# Altium PCB roach2.PcbDoc (part 34 of 39) (continued)
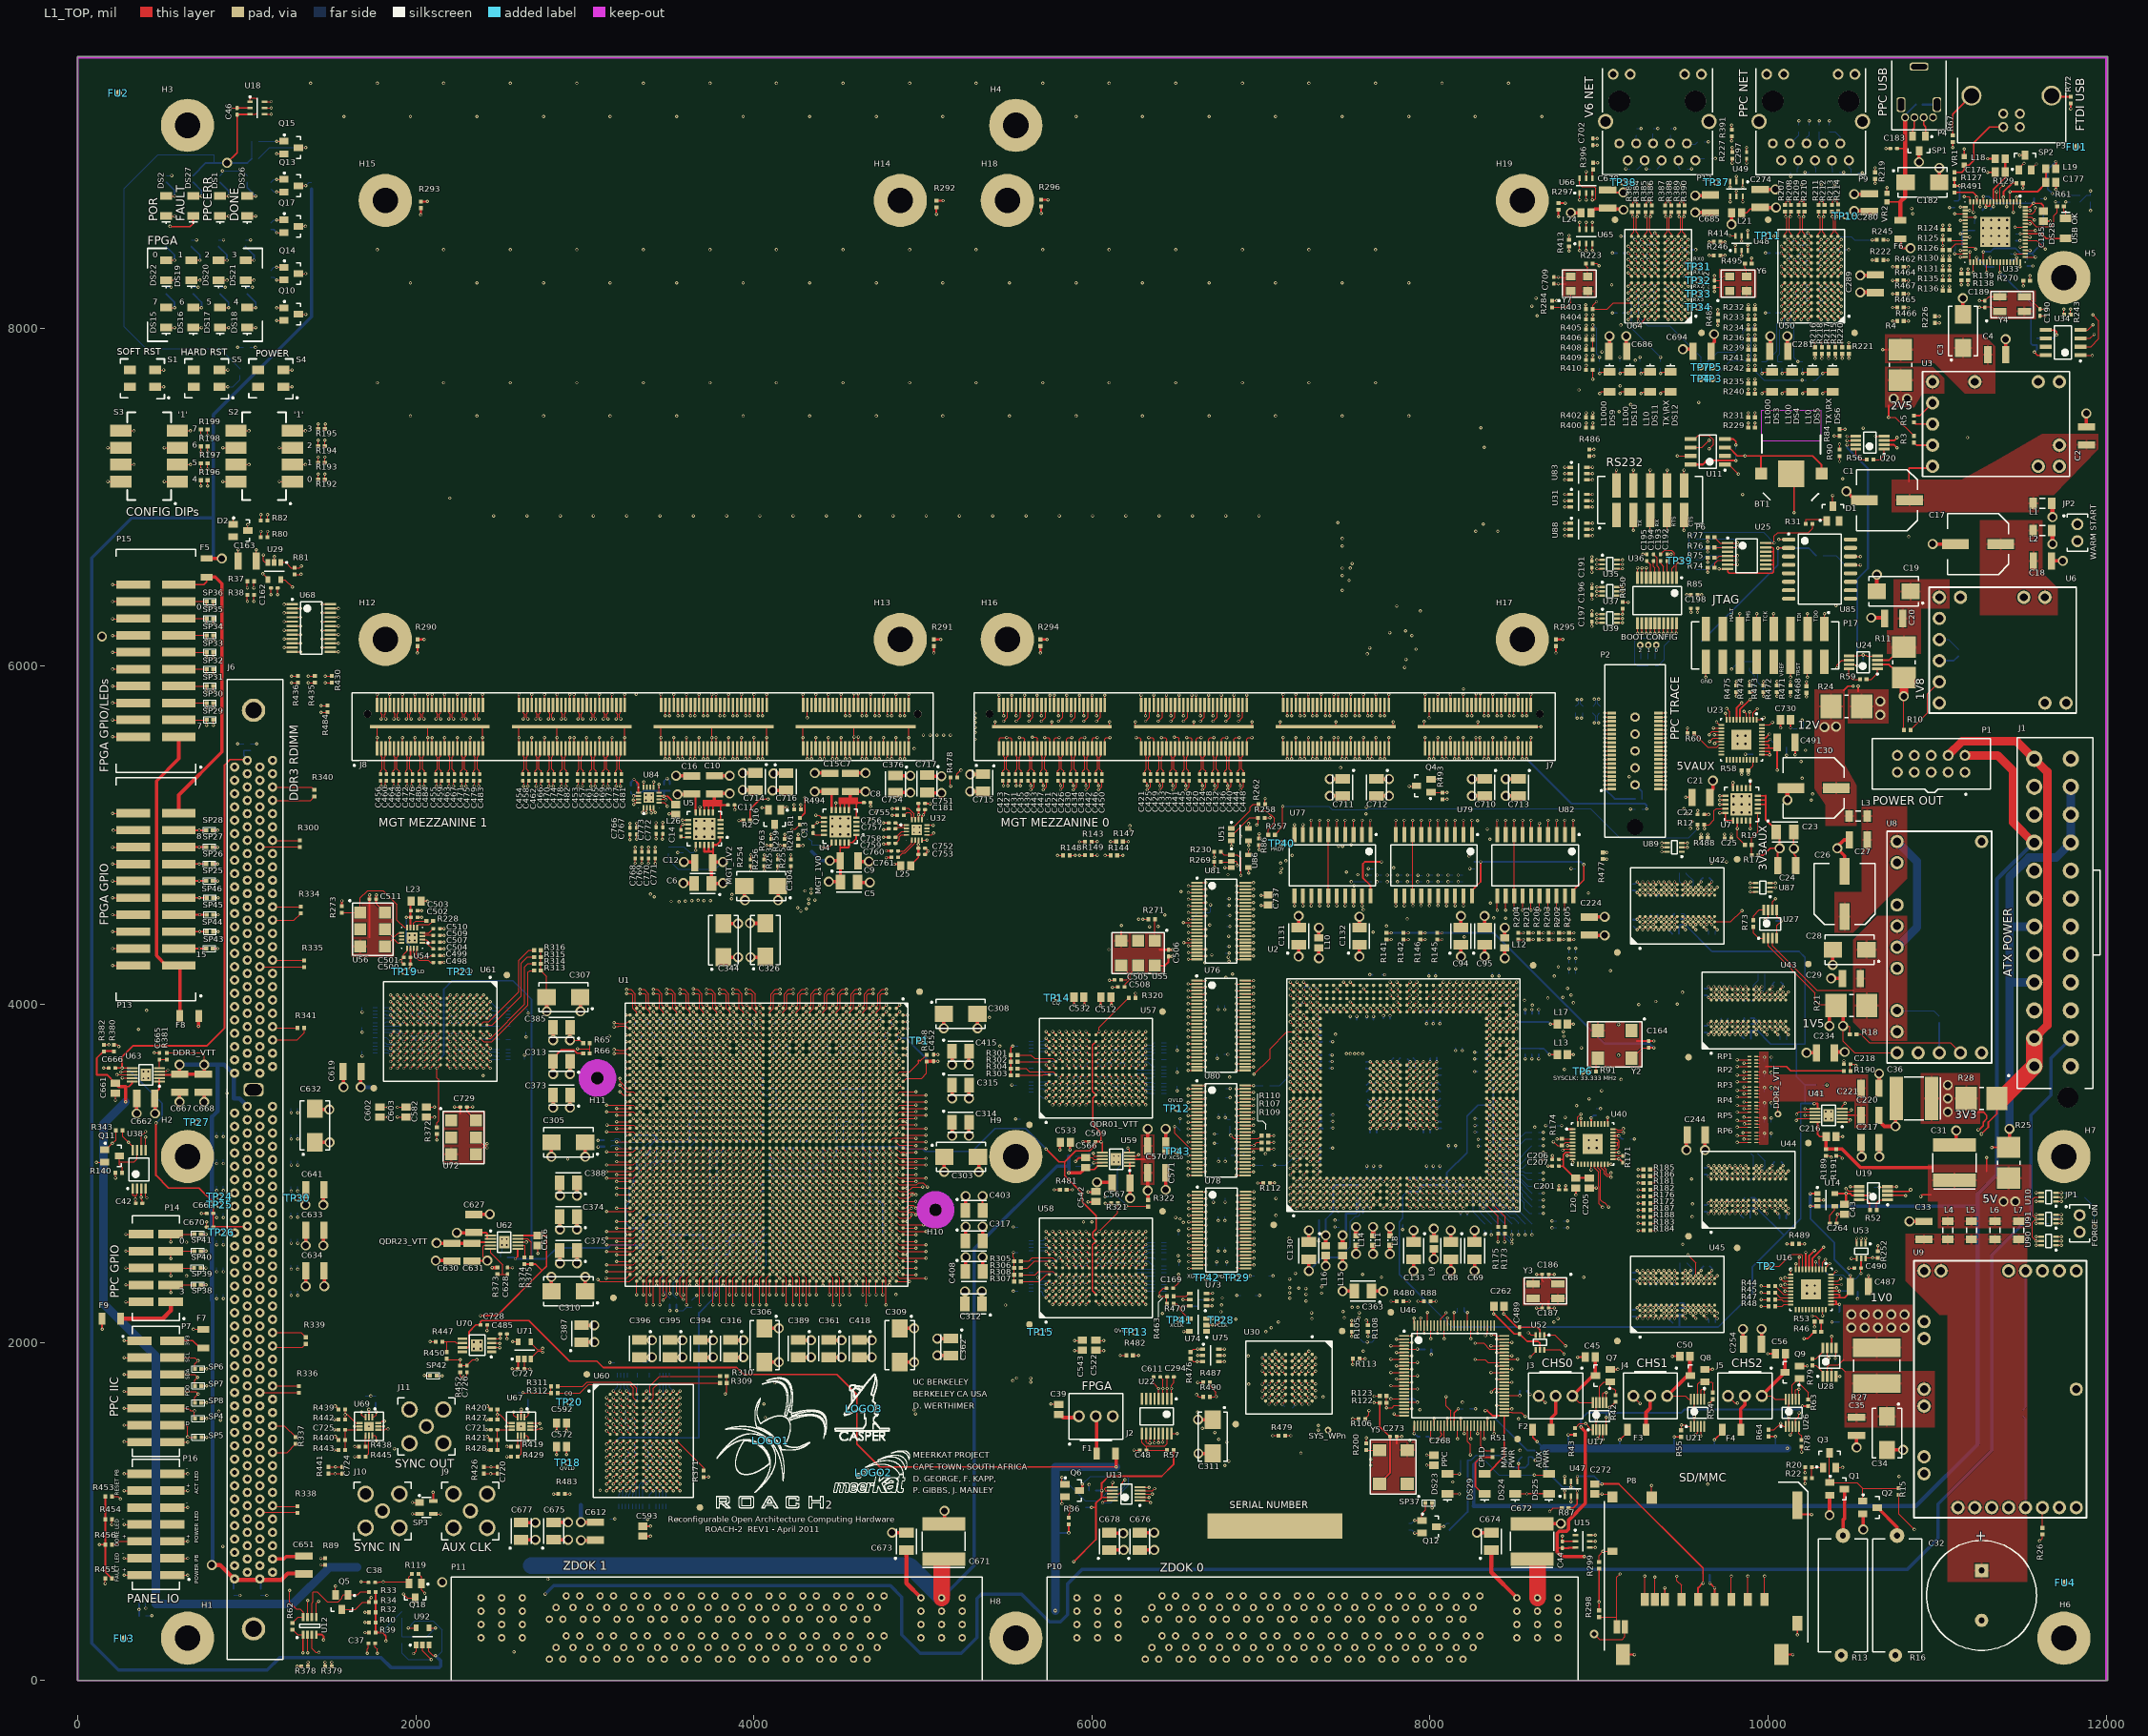
[diagram p0: L1_TOP view]
## Nets (pads, with @x,y where several pads share a name; then routed paths per layer and width w, separated by ;. In a path a pad name is that pad's centre, name@x,y a point inside that pad or via, vN(x,y) a via of type N, cw(c..) or ccw(c..) an arc to the next point about the centre after c; other vN are vias at no path point) (continued)
XL.PDATA4: U1.AT12 U81.8 | length 4081.7
  L1_TOP w5: v1(3483.35,3561.46) 3502.72,3542.09 U1.AT12@3503.04,3541.77 ; v1(6570.73,4581.5) U81.8@6621.73,4581.5 U81.8@6638.67,4581.5
  L8_R w3.8: v2(6390.99,4460.99) 6511.5,4581.5 v1(6570.73,4581.5)
  L14_S w3.8: v1@3484.25,3562.99 3484.25,3580.3 3479.32,3585.23 3476.89,3585.23 3467.75,3594.37 3467.75,3786.94 3468.65,3787.83 3468.65,4031.33 3462.99,4036.99 3462.99,4156.99 3526.99,4220.99 4521.41,4220.99 4879.01,4578.59 6255.4,4578.59 6372.99,4460.99 v2(6390.99,4460.99)
XL.PDATA5: U1.AR12 U81.9 | length 4141.4
  L1_TOP w5: v1(3522.72,3561.46) 3542.09,3542.09 U1.AR12@3542.41,3541.77 ; U81.9@6604.79,4561.82 U81.9@6621.73,4561.82 v1(6672.73,4561.82)
  L8_R w3.8: v2(6340.99,4458.99) 6360.99,4458.99 6374.99,4444.99 6410.99,4444.99 6527.82,4561.82 v1(6672.73,4561.82)
  L14_S w3.8: 3508,3918.01 3508,4115.44 3514.99,4122.43 3514.99,4156.99 3554.99,4196.99 4536.44,4196.99 4890.44,4550.99 6243,4550.99 6261.39,4532.59 6261.39,4496.53 6298.93,4458.99 v2(6340.99,4458.99) ; 3508.02,3917.99 3508.02,3765.67 3507.12,3764.77 3507.12,3567.31 3508,3566.43 3511.44,3562.99 3522.72,3562.99 v1@3523.62,3562.99
XL.PDATA6: U1.BA14 U81.11 | length 4972
  L1_TOP w5: v1(3207.76,3522.09) 3247.39,3482.46 3286.76,3482.46 ; U1.BA14@3306.19,3463.03 U1.BA14@3305.87,3463.35 ; U81.11@6604.79,4522.45 U81.11@6621.73,4522.45 v1(6672.73,4522.45) ; 3286.76,3482.46 U1.BA14@3305.87,3463.35 ; 3286.76,3482.46 U1.BA14@3305.87,3463.35
  L14_S w3.8: v1@3208.66,3523.62 3226.99,3541.95 3226.99,4113.64 3236.99,4123.64 3236.99,4156.99 3444.99,4364.99 3478.99,4364.99 3640.99,4526.99 4200.99,4526.99 4362.99,4364.99 4431.22,4364.99 4810.41,4744.19 6719.8,4744.19 6728.99,4734.99 6728.99,4578.71 v1(6672.73,4522.45)
XL.PDATA7: U1.BA15 U81.12 | length 4814.7
  L1_TOP w5: v1@3286.87,3441.98 3305.37,3423.48 U1.BA15@3306.56,3422.29 ; v1(6570.73,4502.76) U81.12@6621.73,4502.76 U81.12@6638.67,4502.76
  L14_S w3.8: v1@3287.77,3443.51 3287.77,3494.21 3269.99,3511.99 3269.99,4051.99 3276.99,4058.99 3276.99,4156.99 3460.99,4340.99 3502.99,4340.99 3602.99,4440.99 4240.99,4440.99 4340.99,4340.99 4446.25,4340.99 4821.85,4716.59 6592.99,4716.59 6657.13,4652.45 6657.13,4634.09 6666.27,4624.96 6671.02,4624.96 6700.99,4594.99 v2(6700.99,4588.99)
  L16_BOT w5: v1(6570.73,4502.76) 6588.76,4502.76 6628.99,4542.99 6694.99,4542.99 6700.99,4548.99 v2(6700.99,4588.99)
  other v1: 3286.87,3443.35
XL.PDATA8: U1.AW13 U81.13 | length 4289.8
  L1_TOP w5: v1(3365.24,3522.09) 3384.61,3502.72 U1.AW13@3384.93,3502.4 ; v1@6541.25,4482.91 U81.13@6609.19,4482.91
  L14_S w3.8: v1(3365.24,3522.09) 3349.64,3537.69 3349.64,3764.77 3350.54,3765.67 3350.54,3923.79 3354.49,3927.74 3354.49,4127.49 3349.99,4131.99 3349.99,4156.44 3486.54,4292.99 3556.99,4292.99 3644.99,4380.99 4192.99,4380.99 4280.99,4292.99 4476.31,4292.99 4844.71,4661.39 6366.6,4661.39 6540.99,4486.99 v1(6540.99,4482.99)
XL.PDATA9: U1.AW12 U81.14 | length 5366.2
  L1_TOP w5: v1(3365.24,3561.46) 3384.61,3542.09 U1.AW12@3384.93,3541.77 ; v1(6570.73,4463.39) U81.14@6621.73,4463.39 U81.14@6638.67,4463.39
  L8_R w3.8: v2(3144.99,3810.99) 3144.99,3796.99 3280.99,3660.99 3338.99,3660.99 3344.99,3654.99 3344.99,3584.14 v1@3366.14,3562.99 ; v1(6570.73,4463.39) 6570.73,4478.73 6634.99,4542.99 6694.99,4542.99 6804.99,4652.99 v2(6804.99,4766.99)
  L12_S w3.8: v1@3366.14,3562.99 v1@3368.11,3562.99
  L14_S w3.8: v2(3144.99,3810.99) 3144.99,3822.99 3154.99,3832.99 3176.99,3832.99 3190.99,3846.99 3190.99,4168.99 3424.99,4402.99 3448.99,4402.99 3614.99,4568.99 4216.99,4568.99 4384.99,4400.99 4406.99,4400.99 4644.99,4638.99 4644.99,4730.16 4699.83,4784.99 6786.99,4784.99 v2(6804.99,4766.99)
XL.PDATA10: U1.BB14 U81.16 | length 5337.3
  L1_TOP w5: v1(3207.76,3482.72) 3227.45,3463.03 U1.BB14@3266.82,3463.03 ; v1(6570.73,4424.02) U81.16@6621.73,4424.02 U81.16@6638.67,4424.02
  L14_S w3.8: v1@3208.66,3484.25 3208.66,3497.82 3191.99,3514.49 3191.99,3569.94 3210.63,3588.58 3210.63,4116.99 3204.99,4122.63 3204.99,4156.99 3438.99,4390.99 3458.99,4390.99 3622.99,4554.99 4212.99,4554.99 4376.99,4390.99 4418.19,4390.99 4798.98,4771.79 6762.2,4771.79 6780.99,4752.99 6780.99,4480.99 6684.99,4384.99 6642.99,4384.99 6603.96,4424.02 v1(6570.73,4424.02)
XL.PDATA11: U1.BB13 U81.17 | length 5066.7
  L1_TOP w5: v1(3207.76,3561.46) 3207.76,3545 3250.36,3502.4 U1.BB13@3266.82,3502.4 ; U81.17@6604.79,4404.34 U81.17@6621.73,4404.34 v1(6672.73,4404.34)
  L14_S w3.8: v1@3208.66,3562.99 3218.99,3573.32 3218.99,4155.44 3440.55,4376.99 3468.99,4376.99 3632.99,4540.99 4206.99,4540.99 4370.99,4376.99 4423.7,4376.99 4804.7,4757.99 6746,4757.99 6760.99,4742.99 6760.99,4492.6 v1(6672.73,4404.34)
XL.PDATA12: U1.AU13 U81.19 | length 4244.4
  L1_TOP w5: v1(3443.59,3522.21) 3443.86,3522.21 3463.35,3502.72 U1.AU13@3463.67,3502.4 ; v1(6543.25,4365.02) U81.19@6611.19,4365.02
  L14_S w3.8: v1@3444.49,3523.74 3444.49,3538.49 3420.21,3562.77 3420.21,3791.85 3421.11,3792.75 3421.11,4156.62 3521.48,4256.99 3596.99,4256.99 3674.99,4334.99 4170.99,4334.99 4248.99,4256.99 4498.86,4256.99 4861.86,4619.99 6192.99,4619.99 ; 6197.32,4619.99 6192.99,4619.99 ; v1(6543.25,4365.02) 6543.25,4392.73 6316,4619.99 6192.99,4619.99
XL.PDATA13: U1.AU12 U81.20 | length 4212.2
  L1_TOP w5: v1(3443.98,3561.46) 3463.35,3542.09 U1.AU12@3463.67,3541.77 ; v1(6570.73,4345.28) U81.20@6621.73,4345.28 U81.20@6638.67,4345.28
  L14_S w3.8: 3438.99,4016.99 3438.99,4020.99 ; v1@3444.88,3562.99 3444.88,3574.1 3428.38,3590.6 3428.38,3764.77 3429.28,3765.67 3429.28,3923.79 3438.99,3933.5 3438.99,4020.99 ; 6191.6,4606.19 6188.99,4606.19 ; v1(6570.73,4345.28) 6532.7,4345.28 6506.99,4370.99 6506.99,4394.99 6295.8,4606.19 6188.99,4606.19 ; 3438.99,4020.99 3438.99,4156.99 3526.99,4244.99 3612.99,4244.99 3690.99,4322.99 4158.99,4322.99 4236.99,4244.99 4506.38,4244.99 4867.58,4606.19 6188.99,4606.19
XL.PDATA14: U1.AW15 U81.22 | length 4608.9
  L1_TOP w5: v1(3365.24,3443.35) 3384.61,3423.98 U1.AW15@3384.93,3423.66 ; v1(6570.73,4305.91) U81.22@6621.73,4305.91 U81.22@6638.67,4305.91
  L14_S w3.8: v1@3366.14,3444.88 3366.14,3461.55 3380.84,3476.25 3380.84,3791.85 3381.74,3792.75 3381.74,4027.24 3366.99,4041.99 3366.99,4156.99 3490.99,4280.99 3566.99,4280.99 3652.99,4366.99 4182.99,4366.99 4268.99,4280.99 4483.83,4280.99 4850.43,4647.59 6340.4,4647.59 6555.13,4432.86 6555.13,4417.56 6569.7,4402.99 6606.99,4402.99 6642.99,4366.99 6642.99,4340.99 6607.91,4305.91 v1(6570.73,4305.91)
XL.PDATA15: U1.AY15 U81.23 | length 4888.5
  L1_TOP w5: v1(3325.87,3443.35) 3345.24,3423.98 U1.AY15@3345.56,3423.66 ; U81.23@6604.79,4286.23 U81.23@6621.73,4286.23 v1(6672.73,4286.23)
  L12_S w3.8: v1(6672.73,4286.23) 6696.99,4310.49 v2(6696.99,4468.99)
  L14_S w3.8: v1@3326.77,3444.88 3326.77,3459.21 3302.1,3483.88 3302.1,3791.85 3303,3792.75 3303,3924.68 3302.49,3925.19 3302.49,4018.25 3292.99,4027.75 3292.99,4156.99 3464.99,4328.99 3524.99,4328.99 3624.99,4428.99 4220.99,4428.99 4320.99,4328.99 4453.77,4328.99 4827.56,4702.79 6545.49,4702.79 6564.27,4684.01 6589.97,4684.01 6646.99,4626.99 6646.99,4518.99 v2(6696.99,4468.99)
XL.PDATA16: U1.P33 U78.2 | length 2463.3
  L1_TOP w5: U1.P33@4369.18,2715 v1(4388.87,2695.31) ; v1(6572.93,2870.93) U78.2@6623.93,2870.93 U78.2@6640.87,2870.93
  L8_R w3.8: v1(4388.87,2695.31) 4404.84,2711.28 4404.84,2744.38 4418.54,2758.08 4426.62,2758.08 4426.99,2758.45 4911.11,2758.45 4916.57,2752.99 4916.57,2747.91 4925.71,2738.77 5009.23,2738.77 5040,2708 5158,2708 5192.99,2742.99 5664.99,2742.99 5682.99,2724.99 5940.71,2724.99 5943.92,2728.2 6484.2,2728.2 v2(6494.99,2738.99)
  L9_R w3.8: v2(6494.99,2738.99) 6494.99,2792.99 v1(6572.93,2870.93)
XL.PDATA17: U1.N33 U78.3 | length 2561.2
  L1_TOP w5: U1.N33@4408.55,2715 v1(4428.24,2695.31) ; U78.3@6606.99,2851.24 U78.3@6623.93,2851.24 v1(6674.93,2851.24)
  L8_R w3.8: v1(4428.24,2695.31) 4428.24,2712.62 4412.64,2728.22 4412.64,2741.15 4421.77,2750.28 4895.7,2750.28 4920.99,2724.99 5009.01,2724.99 5036,2698 5164,2698 5198.99,2732.99 5652.99,2732.99 5690.99,2694.99 6344.99,2694.99 6358.99,2708.99 6498.99,2708.99 v2(6520.99,2730.99)
  L9_R w3.8: v2(6520.99,2730.99) 6520.99,2782.99 6548.99,2810.99 6600.99,2810.99 6641.24,2851.24 v1(6674.93,2851.24)
XL.PDATA18: U1.AG31 U78.5 | length 3060.8
  L1_TOP w5: v1(3837.68,2774.05) U1.AG31@3857.37,2793.74 ; U78.5@6606.99,2811.87 U78.5@6623.93,2811.87 v1(6674.93,2811.87)
  L8_R w3.8: v1(3837.68,2774.05) 3837.68,2791.36 3853.28,2806.96 3853.28,2819.28 3866.99,2832.99 4040.99,2832.99 4046.99,2826.99 4104.78,2826.99 4106.81,2829.02 4915.02,2829.02 4940.99,2854.99 4984.99,2854.99 5014.99,2884.99 5166.99,2884.99 5226.99,2824.99 5492.99,2824.99 5518.99,2798.99 6172.99,2798.99 6186.99,2784.99 6552.99,2784.99 6561.4,2776.59 6626.59,2776.59 6661.87,2811.87 v1(6674.93,2811.87)
XL.PDATA19: U1.AH31 U78.6 | length 3080.9
  L1_TOP w5: v1(3798.31,2774.05) U1.AH31@3818,2793.74 ; v1(6572.93,2792.19) U78.6@6623.93,2792.19 U78.6@6640.87,2792.19
  L8_R w3.8: v1(3798.31,2774.05) 3822.08,2797.82 3822.08,2859.26 3831.22,2868.39 4066.48,2868.39 4097.68,2837.19 4116.62,2837.19 4116.99,2836.82 4885.79,2836.82 4916.99,2868.02 4916.99,2880.99 4936.99,2900.99 5400.99,2900.99 5448.99,2852.99 6022.99,2852.99 6036.99,2838.99 6154.99,2838.99 6206.99,2890.99 6248.99,2890.99 6326.99,2812.99 6552.13,2812.99 v1(6572.93,2792.19)
XL.PDATA20: U1.R30 U78.8 | length 2408.5
  L1_TOP w5: U1.R30@4329.81,2833.11 v1(4349.5,2813.42) ; v1(6572.93,2752.82) U78.8@6623.93,2752.82 U78.8@6640.87,2752.82
  L8_R w3.8: v1(4349.5,2813.42) 4365.47,2797.45 4901.45,2797.45 4918.99,2814.99 4974.99,2814.99 5034.99,2874.99 5151.01,2874.99 5239.01,2786.99 5478.99,2786.99 5490.99,2774.99 6158.99,2774.99 6166.99,2766.99 6558.76,2766.99 v1(6572.93,2752.82)
XL.PDATA21: U1.T30 U78.9 | length 2573.1
  L1_TOP w5: U1.T30@4290.44,2833.11 v1(4310.13,2813.42) ; U78.9@6606.99,2733.13 U78.9@6623.93,2733.13 v1(6674.93,2733.13)
  L8_R w3.8: v1(4310.13,2813.42) 4333.9,2789.65 4891.65,2789.65 4904.32,2776.99 4965.05,2776.99 4975.33,2787.28 4975.33,2799.33 5040,2864 5112,2864 5221.01,2754.99 6540.99,2754.99 6562.99,2732.99 6674.79,2732.99 v1(6674.93,2733.13)
XL.PDATA22: U1.AF31 U78.11 | length 3366.3
  L1_TOP w5: v1(3877.05,2774.05) U1.AF31@3896.74,2793.74 ; U78.11@6606.99,2693.76 U78.11@6623.93,2693.76 v1(6674.93,2693.76)
  L8_R w3.8: v1(3877.05,2774.05) 3893.02,2758.08 4064.93,2758.08 4104.3,2718.71 4201.71,2718.71 4215.42,2705.01 4215.42,2699.36 4215.79,2698.99 4215.79,2570.74 4224.92,2561.6 4232.62,2561.6 4232.99,2561.23 4941.38,2561.23 4953.27,2573.12 4976.86,2573.12 4996.55,2553.43 5098.55,2553.43 5118.99,2532.99 5230.88,2532.99 5238.32,2540.43 5381.56,2540.43 5432.99,2488.99 5662.99,2488.99 5720.99,2430.99 6406.99,2430.99 6493.39,2517.39 6493.39,2519.45 6502.53,2528.59 6515.45,2528.59 6524.59,2519.45 6557.33,2519.45 6557.33,2523.06 6566.47,2532.2 6579.39,2532.2 6588.53,2523.06 6588.53,2519.45 6623.45,2519.45 6664.05,2560.05 6681.39,2560.05 6700.99,2579.65 6700.99,2667.7 v1(6674.93,2693.76)
XL.PDATA23: U1.AG32 U78.12 | length 3239.2
  L1_TOP w5: v1(3837.68,2734.68) U1.AG32@3857.37,2754.37 ; v1(6572.93,2674.08) U78.12@6623.93,2674.08 U78.12@6640.87,2674.08
  L8_R w3.8: v1(3837.68,2734.68) 3852.68,2734.68 3868.28,2750.28 4061.7,2750.28 4101.07,2710.91 4198.48,2710.91 4207.62,2701.78 4207.62,2560.37 4214.55,2553.43 4932.55,2553.43 4944.06,2541.92 4983.5,2541.92 5003.19,2522.23 5071.75,2522.23 5130.99,2462.99 5630.99,2462.99 5688.99,2404.99 6400.99,2404.99 v2(6508.99,2512.99)
  L9_R w3.8: v2(6508.99,2512.99) 6536.99,2540.99 6536.99,2650.99 6560.08,2674.08 v1(6572.93,2674.08)
XL.PDATA24: U1.U31 U78.13 | length 2704.9
  L1_TOP w5: U1.U31@4251.07,2793.74 v1(4270.76,2774.05) ; U78.13@6606.99,2654.39 U78.13@6623.93,2654.39 v1(6674.93,2654.39)
  L8_R w3.8: v1(4270.76,2774.05) 4294.53,2750.28 4316.59,2750.28 4325.73,2741.15 4325.73,2644.26 4337.81,2632.17 4920.17,2632.17 4939.86,2651.86 4970.12,2651.86 4996.99,2624.99 5546.99,2624.99 5617.01,2554.97 6400.97,2554.97 6460.99,2614.99 6635.53,2614.99 v1(6674.93,2654.39)
XL.PDATA25: U1.T31 U78.14 | length 2527.9
  L1_TOP w5: U1.T31@4290.44,2793.74 v1(4310.13,2774.05) ; v1(6572.93,2634.71) U78.14@6623.93,2634.71 U78.14@6640.87,2634.71
  L8_R w3.8: v1(4310.13,2774.05) 4333.53,2750.65 4333.53,2647.49 4340.67,2640.34 4900.34,2640.34 4920.99,2660.99 4952.31,2660.99 4953.27,2660.03 4966.19,2660.03 4967.16,2660.99 4978.99,2660.99 5002.99,2636.99 5572.99,2636.99 5612.99,2596.99 6394.99,2596.99 ; 6396.99,2596.99 6394.99,2596.99 ; v1(6572.93,2634.71) 6452.71,2634.71 6414.99,2596.99 6394.99,2596.99
XL.PDATA26: U1.AL32 U78.16 | length 3283.8
  L1_TOP w5: v1(3680.2,2734.68) U1.AL32@3699.89,2754.37 ; v1(6572.93,2595.34) U78.16@6623.93,2595.34 U78.16@6640.87,2595.34
  L8_R w3.8: v1(3680.2,2734.68) 3703.97,2758.45 3844.15,2758.45 3853.28,2767.59 3853.28,2783.38 3867.36,2797.45 4241.08,2797.45 4254.79,2783.75 4254.79,2610.48 4264.29,2600.97 4936.97,2600.97 4950.99,2614.99 5376.99,2614.99 5430.99,2560.99 5542.99,2560.99 5584.99,2518.99 6396.99,2518.99 6472.99,2594.99 6572.58,2594.99 v1(6572.93,2595.34)
XL.PDATA27: U1.AK32 U78.17 | length 3374
  L1_TOP w5: v1(3719.57,2734.68) U1.AK32@3739.26,2754.37 ; U78.17@6606.99,2575.65 U78.17@6623.93,2575.65 v1(6674.93,2575.65)
  L8_R w3.8: v1(3719.57,2734.68) 3735.54,2750.65 3847.38,2750.65 3861.08,2764.36 3861.08,2780.15 3870.59,2789.65 4237.85,2789.65 4246.99,2780.52 4246.99,2597 4250.99,2592.99 4268.8,2592.99 4268.99,2592.8 4910.8,2592.8 4922.32,2581.29 4987.29,2581.29 5006.99,2600.99 5358.99,2600.99 5454.99,2504.99 5674.99,2504.99 5698.99,2480.99 6394.99,2480.99 6489.65,2575.65 v1(6674.93,2575.65)
XL.PDATA28: U1.R33 U78.19 | length 2733.4
  L1_TOP w5: U1.R33@4329.81,2715 v1(4349.5,2695.31) ; U78.19@6606.99,2536.28 U78.19@6623.93,2536.28 v1(6674.93,2536.28)
  L8_R w3.8: v1(4349.5,2695.31) 4373.27,2671.54 4864.99,2671.54 ; 4867.54,2671.54 4864.99,2671.54 ; v1(6674.93,2536.28) 6714.99,2576.35 6714.99,2690.99 6692.99,2712.99 6594.54,2712.99 6574.74,2693.19 6521.19,2693.19 6496.99,2668.99 6440.99,2668.99 6412.99,2640.99 5694.99,2640.99 5666.99,2668.99 5542.74,2668.99 5541.14,2667.39 5528.22,2667.39 5526.62,2668.99 5398.99,2668.99 5379.57,2649.57 5210.41,2649.57 5184.99,2674.99 4992.99,2674.99 4972.99,2694.99 4938.99,2694.99 4915.54,2671.54 4864.99,2671.54
XL.PDATA29: U1.P32 U78.20 | length 2669
  L1_TOP w5: U1.P32@4369.18,2754.37 v1(4388.87,2734.68) ; v1(6572.93,2516.6) U78.20@6623.93,2516.6 U78.20@6640.87,2516.6
  L8_R w3.8: v1(4388.87,2734.68) 4373.27,2719.08 4373.27,2688.85 4382.4,2679.71 4903.71,2679.71 4934.91,2710.91 5009.5,2710.91 5018.64,2701.78 5018.64,2696.99 5028.64,2686.99 5188.99,2686.99 5222.43,2720.43 5367.67,2720.43 5379.05,2709.05 5642.94,2709.05 5668.99,2682.99 6488.99,2682.99 6506.99,2700.99 6532.99,2700.99 v2(6540.99,2708.99)
  L9_R w3.8: v2(6540.99,2708.99) 6556.99,2692.99 6610.99,2692.99 6628.99,2674.99 6628.99,2572.66 v1(6572.93,2516.6)
XL.PDATA30: U1.AH33 U78.22 | length 3190.3
  L1_TOP w5: v1(3798.31,2695.31) U1.AH33@3818,2715 ; v1(6572.93,2477.23) U78.22@6623.93,2477.23 U78.22@6640.87,2477.23
  L8_R w3.8: v1(3798.31,2695.31) 3822.08,2719.08 4058.9,2719.08 4097.68,2680.31 4097.68,2610.11 4106.81,2600.97 4161.97,2600.97 4176.05,2586.9 4176.05,2575.36 4176.42,2574.99 4176.42,2531.37 4185.55,2522.23 4888.7,2522.23 4900.21,2533.75 4950.24,2533.75 5040.99,2442.99 5596.99,2442.99 5678.99,2360.99 6508.99,2360.99 6538.99,2390.99 6538.99,2443.29 v1(6572.93,2477.23)
XL.PDATA31: TP42.1 U1.AJ33 U78.23 | length 3423.7
  L1_TOP w5: v1(3758.94,2695.31) U1.AJ33@3778.63,2715 ; U78.23@6606.99,2457.54 U78.23@6623.93,2457.54 v1(6674.93,2457.54)
  L8_R w3.8: v1(3758.94,2695.31) 3776.25,2695.31 3791.85,2679.71 3804.78,2679.71 3813.91,2688.85 3813.91,2697.91 3826.99,2710.99 4048.99,2710.99 4086.99,2672.99 4086.99,2609.77 4103.58,2593.17 4158.74,2593.17 4168.25,2583.67 4168.25,2521.74 4175.92,2514.06 4875.92,2514.06 4936.99,2452.99 4936.99,2440.09 4958.09,2418.99 5508.99,2418.99 5604.99,2322.99 6540.38,2322.99 v1(6674.93,2457.54) 6694.99,2437.48 6694.99,2399.99 TP42.1@6677.99,2382.99
XL.PERCLK: C169.2 R65.1 R66.2 R463.2 R470.2 TP41.1 U1.AY14 U1.K10 | length 6170.5
  L1_TOP w5: v7(2957,3737) 3029.69,3737 ; R66.2@3029.69,3710 3029.69,3737 ; R65.1@3029.68,3770 3029.69,3737 ; v1(3325.87,3482.72) 3345.24,3463.35 U1.AY14@3345.56,3463.03 ; U1.K10@4526.66,3620.51 4527.88,3621.73 v1(4546.35,3640.2) ; R463.2@6432.99,2272.99 v2(6400.99,2272.99) 6400.99,2297.99 6423,2320 C169.2@6440.31,2320 ; R470.2@6443.31,2227.99 R463.2@6443.31,2272.99
  L3_S w3.94: v7(2957,3737) 3068,3737 3225,3580 3225,3519 3261.28,3482.72 v1(3325.87,3482.72) 3343.16,3500 4468.5,3500 4484.25,3515.75 4484.25,3566.93 4496.06,3578.74 4515.75,3578.74 4527.56,3590.55 4527.56,3621.41 v1(4546.35,3640.2) 4564.5,3622.05 5074.8,3622.05 5244.09,3791.34 5362.2,3791.34 5511.81,3940.94 6358.27,3940.94 6539.37,3759.84 6539.37,2732.77 6556.66,2715.48 6556.66,2371.62 6458.03,2272.99 v2(6400.99,2272.99)
  L8_R w5: v2(6400.99,2272.99) 6400.99,2249.99 TP41.1@6517.99,2132.99
XL.POEN: U1.AA31 U80.14 | length 3049.8
  L1_TOP w5: U1.AA31@4093.59,2793.74 v1(4113.28,2774.05) ; v1(6569.83,3263.85) U80.14@6620.83,3263.85 U80.14@6637.77,3263.85
  L9_R w3.8: v1(4113.28,2774.05) 4113.28,2756.75 4128.88,2741.15 4128.88,2694.99 4144.15,2679.71 4749.66,2679.71 4758.8,2688.85 4758.8,2940.86 4772.88,2954.93 4910.93,2954.93 4922.82,2966.82 4993.16,2966.82 5004.99,2954.99 5676.99,2954.99 5818.99,3096.99 6072.99,3096.99 6096.99,3120.99 6168.99,3120.99 6195.19,3094.79 6268.97,3094.79 6269.13,3094.64 6302.64,3094.64 6322.99,3114.99 6392.99,3114.99 6541.85,3263.85 v1(6569.83,3263.85)
XL.PRDY: R230.1 U1.L40 U86.1 | length 5276.4
  L1_TOP w5: U1.L40@4487.29,2439.41 v1(4506.98,2419.72) ; R230.1@6762.68,4902.99 6781.81,4883.86 U86.1@6824.8,4883.86 6860.13,4883.86 6880.99,4862.99 v2(6880.99,4762.99)
  L8_R w3.8: v2(4840.99,2282.99) 5074.99,2282.99 5134.99,2342.99 5432.99,2342.99 5490.99,2284.99 6378.99,2284.99 6386.99,2292.99 6662.99,2292.99 6768.99,2398.99 6768.99,4516.41 6857.93,4605.35 6862.69,4605.35 6880.99,4623.66 v2(6880.99,4762.99)
  L9_R w3.8: v1(4506.98,2419.72) 4524.99,2437.74 4524.99,2499.17 4539.88,2514.06 4592.18,2514.06 4606.99,2499.25 4606.99,2490.99 4616.99,2480.99 4712.99,2480.99 4722.99,2470.99 4722.99,2356.99 4796.99,2282.99 v2(4840.99,2282.99)
XL.PWRN: U1.V31 U80.15 | length 3206.3
  L1_TOP w5: U1.V31@4211.7,2793.74 v1(4231.39,2774.05) ; U80.15@6603.89,3244.16 U80.15@6620.83,3244.16 v1(6671.83,3244.16)
  L9_R w3.8: v1(4231.39,2774.05) 4248.69,2774.05 4264.29,2789.65 4631.65,2789.65 4648.86,2806.86 4648.86,3056.11 4658,3065.24 4845.24,3065.24 4876.99,3096.99 4876.99,3104.99 4912.99,3140.99 4982.99,3140.99 4994.99,3128.99 5076.99,3128.99 5132.99,3184.99 5132.99,3240.99 5162.99,3270.99 5188.99,3270.99 5288.99,3370.99 6416.99,3370.99 6462.99,3416.99 6551.82,3416.99 6563.43,3405.38 6576.35,3405.38 6579.55,3408.58 6634.58,3408.58 6648.99,3422.99 6674.99,3422.99 6693,3404.98 6693,3265.33 v1(6671.83,3244.16)
ZDOK0.CLK0_N: P10.C20 U1.K42 | length 5248.1
  L1_TOP w5: v2(4526.66,2281.93) U1.K42@4526.66,2360.67
  L14_S w3.8: v2(4526.66,2281.93) 4542.45,2297.71 4542.45,2339.48 4566.26,2363.29 4640.29,2363.29 4680.06,2403.06 4680.06,2432.56 4690.99,2443.49 4876.49,2443.49 4895.81,2462.81 4978.56,2462.81 4992.58,2448.79 5206.22,2448.79 5303.79,2351.22 5303.79,2218.22 5779.02,1742.99 5922.99,1742.99 ccw(c5922.99,1747.39) 5927.39,1747.39 5927.39,1792.4 cw(c5939.59,1792.4) 5951.79,1792.4 5951.79,1685.78 ccw(c5956.19,1685.78) 5960.59,1685.78 5960.59,1730.79 cw(c5972.79,1730.79) 5972.79,1742.99 6337.99,1742.99 6355.28,1760.28 6516.74,1760.28 7049.02,1227.99 7416.93,1227.99 8255.79,389.13 8255.79,302.91 P10.C20@8294.92,263.78 ; v2@4527.56,2283.46 v2@4531.64,2287.55
ZDOK0.CLK0_P: P10.C19 U1.J42 | length 5211.9
  L1_TOP w5: v2(4566.03,2281.93) U1.J42@4566.03,2360.67
  L14_S w3.8: v2(4566.03,2281.93) 4550.25,2297.71 4550.25,2336.25 4569.49,2355.49 4643.52,2355.49 4688.23,2400.2 4688.23,2426.18 4697.37,2435.32 4879.35,2435.32 4899.04,2455.01 4975.33,2455.01 4989.35,2440.99 5202.99,2440.99 5295.99,2347.99 5295.99,2214.99 5775.79,1735.19 5922.99,1735.19 ccw(c5922.99,1747.39) 5935.19,1747.39 5935.19,1792.4 cw(c5939.59,1792.4) 5943.99,1792.4 5943.99,1685.78 ccw(c5956.19,1685.78) 5968.39,1685.78 5968.39,1730.79 cw(c5972.79,1730.79) 5972.79,1735.19 6341.22,1735.19 6358.51,1752.48 6513.51,1752.48 7045.79,1220.19 7413.7,1220.19 8247.99,385.9 8247.99,296.77 P10.C19@8215,263.78
ZDOK0.CLK1_N: P10.F20 U1.P31 | length 5276.1
  L1_TOP w5: U1.P31@4369.18,2793.74 v1(4388.87,2774.05)
  L12_S w3.8: v1(4388.87,2774.05) 4397.04,2774.05 4420.81,2750.28 4434.7,2750.28 4443.84,2741.15 4443.84,2646.62 4457.91,2632.54 4833.91,2632.54 4837.91,2628.55 4837.91,2606.88 4909.1,2535.69 4918.76,2535.69 4949.76,2504.69 4971.76,2504.69 5014.68,2461.77 5239.01,2461.77 5384.32,2316.47 5384.32,2287.86 5875.19,1796.99 5875.19,1584.68 5873.86,1583.34 5873.86,1457.13 6115.79,1215.19 7390.79,1215.19 7870.79,735.19 8057.99,735.19 8155.19,637.99 8155.19,484.76 8169.76,470.19 8224.16,470.19 8253.97,500 P10.F20@8294.92,500
ZDOK0.CLK1_P: P10.F19 U1.P30 | length 5230.4
  L1_TOP w5: U1.P30@4369.18,2833.11 v1(4388.87,2813.42)
  L12_S w3.8: v1(4388.87,2813.42) 4406.17,2813.42 4421.77,2797.82 4437.16,2797.82 4452.01,2782.98 4452.01,2649.48 4461.14,2640.34 4837.14,2640.34 4845.71,2631.78 4845.71,2610.11 4912.33,2543.49 4921.99,2543.49 4952.99,2512.49 4974.99,2512.49 5017.91,2469.57 5242.24,2469.57 5392.12,2319.7 5392.12,2291.1 5882.99,1800.22 5882.99,1581.45 5881.66,1580.11 5881.66,1460.36 6119.02,1222.99 7394.02,1222.99 7874.02,742.99 8061.22,742.99 8064.61,739.61 ; 8063.51,740.71 8064.61,739.61 ; P10.F19@8215,500 8192.99,477.99 8172.99,477.99 8162.99,487.99 8162.99,641.22 8064.61,739.61
ZDOK0.DP_N0: P10.A2 U1.R27 | length 5231
  L1_TOP w5: U1.R27@4329.81,2951.22 v1(4349.5,2931.53)
  L3_S w3.8: v1(4349.5,2931.53) 4326.1,2908.13 4326.1,2370.66 4345.78,2350.98 4345.78,2272.24 4373.42,2244.6 4373.42,1845.42 4342.71,1814.71 4342.71,1587.25 5062.97,866.98 5217.08,712.88 cw(c5213.97,709.77) 5218.37,709.77 cw(c5213.97,709.77) 5217.08,706.65 5178.43,668 ccw(c5187.05,659.38) 5178.43,650.75 ccw(c5187.05,659.38) 5195.68,650.75 5284.72,739.79 cw(c5287.83,736.68) 5290.94,739.79 cw(c5287.83,736.68) 5292.23,736.68 cw(c5287.83,736.68) 5290.94,733.57 ; 5246.42,689.04 5201.9,644.53 ccw(c5210.53,635.9) 5201.9,627.28 ccw(c5210.53,635.9) 5219.15,627.28 5308.19,716.32 cw(c5311.3,713.21) 5314.42,716.32 cw(c5311.3,713.21) 5315.7,713.21 cw(c5311.3,713.21) 5314.42,710.09 5225.38,621.06 ccw(c5234,612.43) 5225.38,603.8 ccw(c5234,612.43) 5242.63,603.8 5331.67,692.84 cw(c5334.78,689.73) 5337.89,692.84 cw(c5334.78,689.73) 5339.18,689.73 cw(c5334.78,689.73) 5337.89,686.62 5248.86,597.58 ccw(c5257.48,588.95) 5248.85,580.33 ccw(c5257.48,588.95) 5266.1,580.33 5304.75,618.97 cw(c5307.87,615.87) 5310.98,618.98 5479.76,450.19 6165.79,450.19 6195.19,420.79 6195.19,142.56 6267.56,70.19 6331.22,70.19 6355.79,94.76 6355.79,110.79 6370.98,125.98 P10.A2@6395.12,125.98 ; 5246.43,689.05 5290.94,733.56
ZDOK0.DP_N1: P10.A4 U1.M32 | length 5298.7
  L1_TOP w5: U1.M32@4447.92,2754.37 v1(4467.61,2734.68)
  L5_S w3.8: v1(4467.61,2734.68) 4443.84,2710.91 4443.84,2299.91 4432.32,2288.39 4432.32,2275.47 4435.99,2271.79 4435.99,2069.67 4474.76,2030.9 4474.76,1740.19 5239.76,975.19 5263.78,975.19 cw(c5263.78,970.79) 5268.18,970.79 5268.18,914.52 ccw(c5280.38,914.52) 5292.58,914.52 5292.58,1043.66 cw(c5296.98,1043.66) 5301.38,1043.66 5301.38,914.52 ccw(c5313.58,914.52) 5325.78,914.52 5325.78,1043.66 cw(c5330.18,1043.66) 5334.58,1043.66 5334.58,914.52 ccw(c5346.78,914.52) 5358.98,914.52 5358.98,1043.66 cw(c5363.38,1043.66) 5367.78,1043.66 5367.78,914.52 ccw(c5379.98,914.52) 5392.18,914.52 5392.18,1043.66 cw(c5396.58,1043.66) 5400.98,1043.66 5400.98,914.52 ccw(c5413.18,914.52) 5425.38,914.52 5425.38,970.79 cw(c5429.78,970.79) 5429.78,975.19 5732.99,975.19 5817.99,890.19 5817.99,869.76 5942.56,745.19 5962.99,745.19 6075.19,632.99 6230.19,632.99 6275.19,587.99 ; 6275.19,582.48 6275.19,587.99 ; P10.A4@6595.12,125.98 6554.16,125.98 6523.37,95.19 6474.76,95.19 6395.19,174.76 6395.19,200.79 6275.19,320.79 6275.19,587.99
ZDOK0.DP_N2: P10.A6 U1.L36 | length 5258.8
  L1_TOP w5: U1.L36@4487.29,2596.89 v1(4506.98,2577.2)
  L5_S w3.8: v1(4506.98,2577.2) 4511.73,2577.2 4535.5,2553.43 4552.81,2553.43 4561.95,2544.3 4561.95,2310.51 4582.53,2289.93 4582.53,2104.42 4622.48,2064.48 4622.48,1881.51 4624.23,1881.51 4907.99,1597.74 4907.99,1549.76 5192.56,1265.19 5444.99,1265.19 ccw(c5444.99,1277.39) 5457.19,1277.39 5457.19,1316.32 cw(c5461.59,1316.32) 5465.99,1316.32 5465.99,1204.66 ccw(c5478.19,1204.66) 5490.39,1204.66 5490.39,1316.32 cw(c5494.79,1316.32) 5499.19,1316.32 5499.19,1204.66 ccw(c5511.39,1204.66) 5523.59,1204.66 5523.59,1316.32 cw(c5527.99,1316.32) 5532.39,1316.32 5532.39,1204.66 ccw(c5544.59,1204.66) 5556.79,1204.66 5556.79,1316.32 cw(c5561.19,1316.32) 5565.59,1316.32 5565.59,1204.66 ccw(c5577.79,1204.66) 5589.99,1204.66 5589.99,1316.32 cw(c5594.39,1316.32) 5598.79,1316.32 5598.79,1277.39 ccw(c5610.99,1277.39) 5610.99,1265.19 5830.79,1265.19 5833.75,1262.24 5870.03,1225.95 5872.99,1222.99 5872.99,1102.99 6010.28,965.71 6349.25,965.71 6507.99,806.96 6507.99,642.99 6579.65,571.34 6579.65,451.34 6642.55,388.43 6642.55,373.43 6737.99,277.99 6737.99,244.02 6707.99,214.02 6707.99,194.02 6655.19,141.22 6655.19,119.76 6679.76,95.19 6723.37,95.19 6754.16,125.98 P10.A6@6795.12,125.98
ZDOK0.DP_N3: P10.A8 U1.K34 | length 5264.2
  L1_TOP w5: U1.K34@4526.66,2675.63 v1(4546.35,2655.94)
  L5_S w3.8: v1(4546.35,2655.94) 4568.23,2634.06 4568.23,2605.73 4573.35,2600.6 4634.78,2600.6 4648.49,2586.9 4648.49,2311.3 4668.17,2291.62 4668.17,2241.22 4680.06,2229.34 4680.06,2216.41 4670.79,2207.15 4670.79,2158.99 4756.99,2072.79 4756.99,1879.99 4808.99,1827.99 4946.22,1827.99 5338.42,1435.79 5437.79,1435.79 cw(c5437.79,1423.59) 5449.99,1423.59 5449.99,1367.44 ccw(c5454.39,1367.44) 5458.79,1367.44 5458.79,1453.55 cw(c5470.99,1453.55) 5483.19,1453.55 5483.19,1367.44 ccw(c5487.59,1367.44) 5491.99,1367.44 5491.99,1453.55 cw(c5504.19,1453.55) 5516.39,1453.55 5516.39,1367.44 ccw(c5520.79,1367.44) 5525.19,1367.44 5525.19,1453.55 cw(c5537.39,1453.55) 5549.59,1453.55 5549.59,1367.44 ccw(c5553.99,1367.44) 5558.39,1367.44 5558.39,1453.55 cw(c5570.59,1453.55) 5582.79,1453.55 5582.79,1367.44 ccw(c5587.19,1367.44) 5591.59,1367.44 5591.59,1453.55 cw(c5603.79,1453.55) 5615.99,1453.55 5615.99,1367.44 ccw(c5620.39,1367.44) 5624.79,1367.44 5624.79,1423.59 cw(c5636.99,1423.59) 5636.99,1435.79 5861.22,1435.79 6059.02,1237.99 6339.02,1237.99 6660.79,916.22 6660.79,752.99 6757.99,655.79 6757.99,497.99 6810.79,445.19 6810.79,422.99 6932.99,300.79 6932.99,211.88 6927.41,206.3 6927.41,183.47 6943.55,167.33 6953.77,167.33 P10.A8@6995.12,125.98
ZDOK0.DP_N4: P10.A10 U1.H35 | length 5249.9
  L1_TOP w5: U1.H35@4605.4,2636.26 v1(4625.09,2616.57)
  L3_S w3.8: v1(4625.09,2616.57) 4609.49,2600.97 4609.49,2373.89 4629.17,2354.21 4629.17,2275.47 4644.59,2260.05 4644.59,1897.39 4759.99,1781.99 4805.22,1781.99 5209.22,1377.99 5349.02,1377.99 5804.02,922.99 5814.99,922.99 ccw(c5814.99,927.39) 5819.39,927.39 5819.39,962 cw(c5831.59,962) 5843.79,962 5843.79,897.87 ccw(c5848.19,897.87) 5852.59,897.87 5852.59,962 cw(c5864.79,962) 5876.99,962 5876.99,895.22 ccw(c5881.39,895.22) 5885.79,895.22 5885.79,962 cw(c5897.99,962) 5910.19,962 5910.19,851.79 ccw(c5914.59,851.79) 5918.99,851.79 5918.99,962 cw(c5931.19,962) 5943.39,962 5943.39,851.79 ccw(c5947.79,851.79) 5952.19,851.79 5952.19,962 cw(c5964.39,962) 5976.59,962 5976.59,851.79 ccw(c5980.99,851.79) 5985.39,851.79 5985.39,962 cw(c5997.59,962) 6009.79,962 6009.79,927.39 ccw(c6014.19,927.39) 6014.19,922.99 6449.02,922.99 6765.79,606.22 6765.79,481.22 6870.79,376.22 6870.79,357.99 6995.79,232.99 7084.02,232.99 7120.79,196.22 7120.79,182.99 7177.8,125.98 P10.A10@7195.12,125.98